# Altium PCB RX_test_01.PcbDoc (part 3 of 3)
Units mm, origin at the board's own origin, x right, y up, seen from the top; angles counter-clockwise.
Board outline 200 x 100 mm, 4 copper layers (Top Copper, Signal Layer 1, Signal Layer 2, Bottom Copper), stack 1.57 mm thick; 283 components, 176 nets, 839 pads, 935 vias.
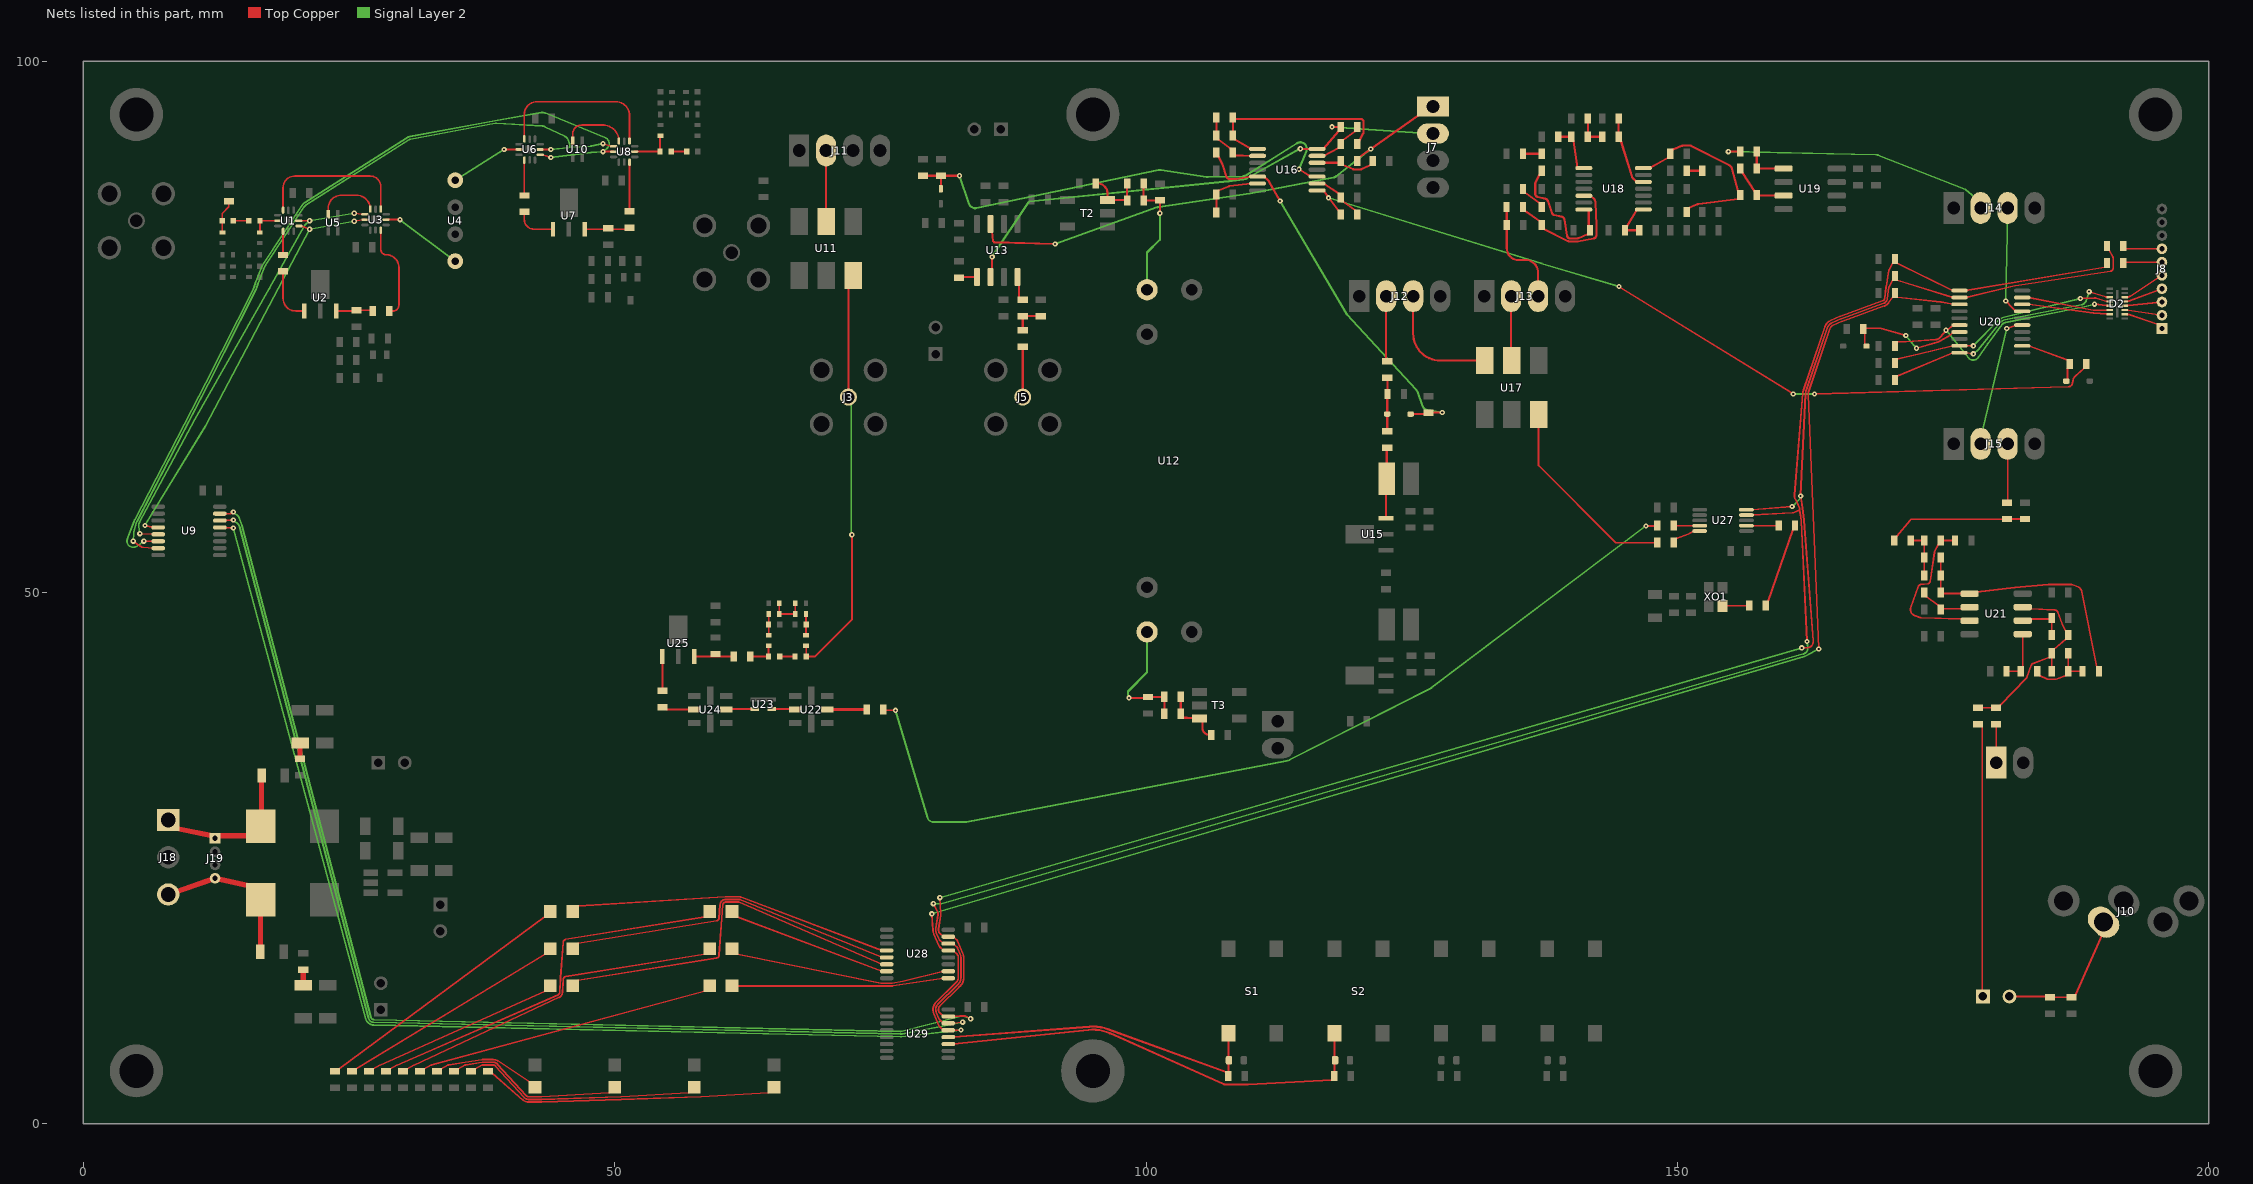
[diagram p5: the nets of this part, all layers, seen from the top]

## Via types
v1: diameter 0.5, hole 0.2, Top Copper to Bottom Copper, 605 vias
v2: diameter 0.7, hole 0.3, Top Copper to Bottom Copper, 330 vias

## Nets (pads, with @x,y where several pads share a name; then routed paths per layer and width w, separated by ;. In a path a pad name is that pad's centre, name@x,y a point inside that pad or via, vN(x,y) a via of type N, cw(c..) or ccw(c..) an arc to the next point about the centre after c; other vN are vias at no path point) (continued)
NetC32_1: C32.1 L12.2 U15.3 | length 6.7
  Top Copper w0.2: U15.3@122.6,57 122.6,60.643 L12.2@122.657,60.7 122.657,63.582 C32.1@122.7,63.625
NetC32_2: C32.2 C33.1 D1.2 R12.2 | length 5.1
  Top Copper w0.2: C32.2@122.7,65.175 D1.2@122.7,66.8 122.7,68.675 R12.2@122.725,68.7 122.725,70.2 C33.1@122.7,70.225
NetC33_2: C33.2 J12.2 | length 6.2
  Top Copper w0.2: J12.2@122.6,77.9 122.6,71.875 C33.2@122.7,71.775
NetC34_2: C34.2 R7.1 R9.1 U12.1 | length 12.1
  Top Copper w0.2: R9.1@99.775,88.5 R7.1@99.775,86.9 101.275,86.9 C34.2@101.3,86.925 v1(101.3,85.7)
  Signal Layer 2 w0.2: U12.1@100.1,78.5 100.1,82 101.3,83.2 v1(101.3,85.7)
NetC35_2: C35.2 R8.2 R10.2 U12.6 | length 12
  Top Copper w0.2: v1(98.4,40.1) 100.125,40.1 C35.2@100.2,40.175 101.7,40.175 R10.2@101.725,40.2 R8.2@101.725,38.6
  Signal Layer 2 w0.2: v1(98.4,40.1) 98.3,40.2 98.3,40.7 100.1,42.5 U12.6@100.1,46.3
NetC36_1: C36.1 U13.4 | length 2.3
  Top Copper w0.2: U13.4@87.905,79.7 88.055,79 88.055,77.775 C36.1@88.4,77.575
NetC36_2: C36.2 R15.1 R28.2 | length 3
  Top Copper w0.2: R15.1@88.4,74.675 C36.2@88.4,76.025 R28.2@90.1,76.025
NetC37_1: C37.1 R19.2 R22.1 U16.1 | length 19.2
  Top Copper w0.2: U16.1@110.5,91.75 109.9,91.75 108.375,92.625 R19.2@108.175,93 C37.1@108.175,94.7 108.375,94.575 120.175,94.575 cw(c120.175,94.275) 120.475,94.275 120.475,93.325 cw(c120.175,93.325) 120.432,93.171 120.075,92.575 R22.1@119.975,92.163
NetC37_2: C37.2 R19.1 R21.2 U16.2 | length 6.4
  Top Copper w0.2: C37.2@106.625,94.7 R19.1@106.625,93 106.825,92.625 107.975,91.775 R21.2@108.175,91.4 108.375,91.132 109.104,91.132 cw(c109.104,90.528) 109.129,91.132 109.9,91.1 U16.2@110.5,91.1
NetC50_2: C50.2 R29.1 | length 1.4
  Top Copper w0.2: R29.1@150.875,89.7 C50.2@152.325,89.7
NetC51_2: C51.2 R31.1 | length 1.8
  Top Copper w0.2: C51.2@135.475,91.3 R31.1@137.225,91.3
NetC52_2: C52.2 R33.1 | length 2.5
  Top Copper w0.2: C52.2@135.475,88 135.675,87.625 137.025,86.675 R33.1@137.225,86.3
NetC53_1: C53.1 J13.3 R41.2 | length 10.4
  Top Copper w0.2: C53.1@133.925,86.3 133.95,86.275 R41.2@133.95,84.6 133.95,82.4 ccw(c135.05,82.4) 135.05,81.3 135.7,81.3 cw(c135.7,80.1) 136.9,80.1 J13.3@136.9,77.9
NetC53_2: C53.2 R42.2 U18.5 | length 12.9
  Top Copper w0.2: C53.2@135.475,86.3 135.675,85.925 137.025,84.975 R42.2@137.225,84.6 137.425,84.225 139.66,83.099 ccw(c139.925,83.625) 139.925,83.036 140.525,83.036 ccw(c140.525,83.625) 140.635,83.046 142.131,83.33 ccw(c142.075,83.625) 142.375,83.625 142.375,84.575 ccw(c142.075,84.575) 142.375,84.586 142.3,86.718 ccw(c141.8,86.7) 142.119,87.085 141.8,87.35 U18.5@141.2,87.35
NetC54_2: C54.2 R37.2 R38.1 | length 3
  Top Copper w0.2: C54.2@141.575,94.6 R37.2@141.575,92.9 R38.1@142.925,92.9
NetC55_2: C55.2 R38.2 U18.12 | length 7
  Top Copper w0.2: C55.2@144.475,94.6 R38.2@144.475,92.9 144.675,92.525 145.723,89.151 ccw(c146.2,89.3) 145.881,88.915 146.2,88.65 U18.12@146.8,88.65
NetC56_2: C56.2 R45.2 U18.8 | length 4.2
  Top Copper w0.2: C56.2@146.425,84.1 R45.2@145.075,84.1 145.275,84.475 146.2,86.05 U18.8@146.8,86.05
NetC60_1: C60.1 C62.2 R55.2 R56.1 | length 4.5
  Top Copper w0.165: R55.2@171.975,54.9 R56.1@173.225,54.9 C62.2@173.225,53.3 C60.1@173.225,51.6
NetC60_2: C60.2 C62.1 R57.1 R63.2 U21.1 | length 24.6
  Top Copper w0.165: C62.1@174.775,53.3 R63.2@174.775,50 174.993,49.929 176.8,49.929 U21.1@177.5,49.905 178.2,50.055 181.748,50.484 cw(c181.8,50.055) 181.763,50.486 184.901,50.756 cw(c184.925,50.475) 184.925,50.757 187.075,50.757 cw(c187.075,50.475) 187.174,50.739 187.681,50.549 cw(c187.475,50) 188.05,50.114 189.457,42.993 R57.1@189.675,42.6
NetC61_1: C61.1 C63.2 R57.2 R58.1 | length 6.6
  Top Copper w0.165: R58.1@183.875,42.6 184.093,42.207 184.804,41.87 ccw(c184.925,42.125) 184.925,41.843 185.525,41.843 ccw(c185.525,42.125) 185.623,41.86 186.557,42.207 C61.1@186.775,42.6 ; C63.2@186.775,44.3 C61.1@186.775,42.6 ; R57.2@188.125,42.6 C61.1@186.775,42.6
NetC61_2: C61.2 C63.1 R59.1 R61.2 R65.2 U21.7 | length 19.1
  Top Copper w0.165: R61.2@178.3,39.175 R59.1@180,39.175 180.393,39.393 182.829,41.929 ccw(c182.625,42.125) 182.89,42.028 183.31,43.172 cw(c183.575,43.075) 183.478,43.34 185.003,43.906 cw(c185.06,43.751) 185.005,43.906 185.007,43.907 C63.1@185.225,44.3 ; U21.7@182.5,48.635 183.2,48.485 185.54,48.357 cw(c185.525,48.075) 185.79,48.172 186.21,47.027 ccw(c186.475,47.125) 186.228,46.989 186.557,46.393 R65.2@186.775,46 186.557,45.607 185.443,44.693 C63.1@185.225,44.3 ; C61.2@185.225,42.6 C63.1@185.225,44.3
NetC64_1: C64.1 J15.3 | length 5.5
  Top Copper w0.165: C64.1@181,58.475 181.08,58.693 J15.3@181.08,64
NetC64_2: C64.2 R55.1 R60.2 | length 13.3
  Top Copper w0.165: R55.1@170.425,54.9 170.643,55.293 171.9,56.803 171.983,56.9 180.607,56.9 C64.2@181,56.925 R60.2@182.7,56.925
NetC65_2: C65.2 R56.2 U21.3 | length 14.9
  Top Copper w0.165: C65.2@176.125,54.9 R56.2@174.775,54.9 174.557,54.507 174.228,53.912 ccw(c174.475,53.775) 174.195,53.815 173.805,51.086 cw(c173.525,51.125) 173.562,50.845 172.889,50.755 ccw(c172.925,50.475) 172.658,50.568 171.971,48.593 ccw(c172.525,48.4) 172.318,47.851 172.826,47.661 ccw(c172.925,47.925) 172.915,47.643 176.8,47.515 U21.3@177.5,47.365
NetC66_2: C66.2 R58.2 U21.5 | length 4.9
  Top Copper w0.165: C66.2@180.975,42.6 R58.2@182.325,42.6 182.492,42.993 182.492,45.945 U21.5@182.5,46.095
NetC67_1: C67.1 R61.1 | length 25.9
  Top Copper w0.165: R61.1@178.3,37.625 178.693,37.407 178.693,12.568 C67.1@178.75,12
NetC67_2: C67.2 C68.2 J10.4 R66.2 | length 13.9
  Top Copper w0.165: C67.2@181.25,12 184.682,12 R66.2@185.075,11.925 C68.2@187.075,11.925 187.468,12.143 190.383,18.717 J10.4@190.1,19
NetC73_1: C73.1 R72.2 | length 87.9
  Top Copper w0.165: C73.1@75.275,39 75.35,38.925 v1(76.425,38.925) ; v1(147.05,56.275) 148.1,56.275 R72.2@148.125,56.3
  Signal Layer 2 w0.165: v1(76.425,38.925) 79.438,28.832 ccw(c80,29) 80,28.414 83,28.414 ccw(c83,29) 83.11,28.424 113.181,34.149 ccw(c112.95,35.36) 113.507,34.261 126.765,40.977 ccw(c126.5,41.5) 126.853,41.032 v1(147.05,56.275)
NetC73_2: C73.2 U22.2 | length 3.7
  Top Copper w0.3: U22.2@70,39 C73.2@73.725,39
NetC75_1: C75.1 U24.6 | length 3.1
  Top Copper w0.165: C75.1@54.5,39.225 54.675,39.225 54.9,39 U24.6@57.5,39
NetC75_2: C75.2 U25.1 | length 3.2
  Top Copper w0.165: C75.2@54.5,40.775 U25.1@54.5,44
NetC76_1: C76.1 L13.2 U25.3 | length 3.7
  Top Copper w0.165: U25.3@57.5,44 C76.1@61.225,44
NetC76_2: C76.2 C77.2 L14.1 | length 2.7
  Top Copper w0.165: C76.2@62.775,44 L14.1@64.475,44 64.475,44.975 C77.2@64.5,45
NetC77_1: C77.1 L16.1 R69.1 | length 2
  Top Copper w0.165: C77.1@64.5,46 R69.1@64.5,48
NetC78_1: C78.1 L17.2 R70.2 | length 2
  Top Copper w0.165: C78.1@68,46 R70.2@68,48
NetC78_2: C78.2 J3.1 L15.2 U11.6 | length 39.5
  Top Copper w0.165: C78.2@68,45 68.025,44.975 L15.2@68.025,44 68.875,44 72.325,47.45 v1(72.325,55.45) ; J3.1@72,68.4 72,79.42 U11.6@72.44,79.86
  Signal Layer 2 w0.134: J3.1@72,68.4 72.255,68.145 72.255,55.52 v1(72.325,55.45)
NetC79_1: C79.1 C80.1 R69.2 R70.1 | length 3.5
  Top Copper w0.165: C79.1@65.5,49 R69.2@65.5,48 R70.1@67,48 C80.1@67,49
NetC96_1: C96.1 R25.2 | length 8
  Top Copper w0.2: R25.2@158.325,48.775 158.525,49.15 160.875,55.925 C96.1@161.075,56.3
NetC96_2: C96.2 U27.2 | length 3
  Top Copper w0.165: U27.2@156.5,56.3 C96.2@159.525,56.3
NetC110_2: C110.2 R91.1 | length 1.6
  Top Copper w0.5: R91.1@20.4,34.375 C110.2@20.4,35.95
NetC111_2: C111.2 R92.1 | length 1.6
  Top Copper w0.5: C111.2@20.7,12.95 R92.1@20.7,14.525
NetC112_2: C112.2 D16.1 R95.2 U16.10 | length 45.1
  Top Copper w0.2: R95.2@79,89.225 C112.2@80.7,89.225 ; D16.1@80.7,88 C112.2@80.7,89.225 ; v1(82.45,89.225) C112.2@80.7,89.225 ; v1(114.397,89.841) 115.5,89.15 U16.10@116.1,89.15
  Signal Layer 2 w0.2: v1(82.45,89.225) 83.353,86.58 ccw(c83.925,86.775) 84.049,86.184 101.176,89.766 cw(c101.3,89.175) 101.393,89.772 105.707,89.103 ccw(c105.8,89.7) 105.814,89.096 109.089,89.171 ccw(c109.075,89.775) 109.397,89.264 114.203,92.286 cw(c114.525,91.775) 115.085,91.549 v1(114.397,89.841)
NetD3_1: D3.1 R75.1 | length 28.2
  Top Copper w0.165: R75.1@38.1,4.975 38.493,4.757 41.383,2.253 ccw(c41.9,2.85) 41.9,2.06 43.1,2.06 ccw(c43.1,2.85) 43.134,2.061 50.618,2.314 58.11,2.568 ccw(c58.1,2.85) 58.116,2.568 64.482,2.932 D3.1@65,3.45
NetD4_1: D4.1 R82.2 | length 25.2
  Top Copper w0.165: R82.2@23.7,4.975 24.093,5.193 43.432,19.482 D4.1@43.95,20
NetD5_1: D5.1 R83.2 | length 37.1
  Top Copper w0.165: R83.2@28.5,4.975 28.893,5.193 29.488,5.522 cw(c29.625,5.275) 29.512,5.534 44.663,12.141 ccw(c44.55,12.4) 44.832,12.383 44.914,13.732 44.915,13.736 45.168,17.121 cw(c45.45,17.1) 45.405,17.379 58.432,19.482 D5.1@58.95,20
NetD6_1: D6.1 R85.2 | length 21.9
  Top Copper w0.165: R85.2@25.3,4.975 25.693,5.193 43.432,15.982 D6.1@43.95,16.5
NetD7_1: D7.1 R86.2 | length 32.4
  Top Copper w0.165: R86.2@30.1,4.975 30.493,5.193 31.088,5.522 cw(c31.225,5.275) 31.106,5.531 44.777,11.914 ccw(c44.55,12.4) 45.085,12.365 45.168,13.619 cw(c45.45,13.6) 45.405,13.879 58.432,15.982 D7.1@58.95,16.5
NetD8_1: D8.1 R87.2 | length 18.9
  Top Copper w0.165: R87.2@26.9,4.975 27.293,5.193 27.888,5.522 cw(c28.025,5.275) 27.91,5.533 43.432,12.482 D8.1@43.95,13
NetD9_1: D9.1 R88.2 | length 28.5
  Top Copper w0.165: R88.2@31.7,4.975 32.093,5.193 32.688,5.522 cw(c32.825,5.275) 32.751,5.548 58.432,12.482 D9.1@58.95,13
NetD12_1: D12.1 F3.1 J18.1 J19.1 | length 14.4
  Top Copper w0.5: J18.1@8,28.6 8.8,27.8 12.15,27.125 J19.1@12.4,26.875 12.65,27.125 15.575,27.125 D12.1@16.7,28 16.768,29.325 16.768,32.375 F3.1@16.775,32.8
NetD13_2: D13.2 F4.1 J18.3 J19.4 | length 14.5
  Top Copper w0.5: J18.3@8,21.6 J19.4@12.4,23.125 15.575,22.425 D13.2@16.7,21.1 16.677,19.775 16.677,16.625 F4.1@16.675,16.2
NetD17_2: D17.2 R73.2 U20.12 | length 6.6
  Top Copper w0.165: U20.12@182.45,73.225 183.05,73.225 186.707,71.893 R73.2@186.925,71.5 186.707,71.107 186.707,70.025 D17.2@186.6,69.9
NetD18_2: D18.2 R94.2 U20.7 | length 11.7
  Top Copper w0.165: D18.2@167.8,73.2 167.641,73.325 167.641,74.407 167.584,74.843 167.693,74.886 169.025,74.886 cw(c169.025,74.3) 169.187,74.864 v1(171.5,74.2) ; v1(172.5,73) 174.535,73.593 ccw(c174.3,74.4) 174.727,73.677 175.585,74.183 ccw(c175.287,74.688) 175.704,74.276 175.95,74.525 U20.7@176.55,74.525
  Signal Layer 2 w0.165: v1(171.5,74.2) v1(172.5,73)
NetD19_1: D19.1 R76.1 | length 22.8
  Top Copper w0.165: R76.1@36.5,4.975 36.893,5.193 37.488,5.522 cw(c37.625,5.275) 37.625,5.557 38.575,5.557 cw(c38.575,5.275) 38.784,5.464 41.505,2.488 ccw(c41.9,2.85) 41.9,2.314 43.1,2.314 ccw(c43.1,2.85) 43.124,2.314 cw(c43.134,2.061) 43.125,2.314 50.61,2.568 ccw(c50.6,2.85) 50.615,2.568 56.982,2.932 D19.1@57.5,3.45
NetD20_1: D20.1 R77.1 | length 16.9
  Top Copper w0.165: R77.1@34.9,4.975 35.293,5.193 35.888,5.522 cw(c36.025,5.275) 35.98,5.554 37.54,5.804 cw(c37.625,5.275) 37.625,5.811 38.575,5.811 cw(c38.575,5.275) 38.971,5.637 41.691,2.66 ccw(c41.9,2.85) 41.9,2.568 43.1,2.568 ccw(c43.1,2.85) 43.115,2.568 49.482,2.932 D20.1@50,3.45
NetD21_1: D21.1 R78.1 | length 10.2
  Top Copper w0.165: R78.1@33.3,4.975 33.693,5.193 34.288,5.522 cw(c34.425,5.275) 34.38,5.554 35.94,5.804 ; 35.941,5.805 37.498,6.055 cw(c37.625,5.275) 37.625,6.065 38.575,6.065 cw(c38.575,5.275) 39.011,5.934 41.982,3.968 D21.1@42.5,3.45
NetJ5_1: J5.1 R15.2 | length 4.7
  Top Copper w0.2: J5.1@88.4,68.4 R15.2@88.4,73.125
NetJ8_6: J8.6 R53.2 | length 3.7
  Top Copper w0.165: R53.2@191.975,81 192.075,81.1 J8.6@195.6,81.1
NetJ8_7: J8.7 R54.2 | length 3.7
  Top Copper w0.165: R54.2@191.975,82.6 191.975,82.568 192.193,82.35 J8.7@195.6,82.35
NetJ9_1: J9.1 R59.2 | length 3.6
  Top Copper w0.165: J9.1@180,34 R59.2@180,37.625
NetJ11_2: J11.2 U11.2 | length 6.7
  Top Copper w0.2: U11.2@69.9,84.94 J11.2@69.9,91.6
NetJ12_3: J12.3 U17.3 | length 11.7
  Top Copper w0.2: J12.3@125.14,77.9 125.14,74.38 ccw(c127.68,74.38) 127.68,71.84 U17.3@131.86,71.84
NetJ13_2: J13.2 U17.2 | length 6.1
  Top Copper w0.2: J13.2@134.36,77.9 134.36,71.88 U17.2@134.4,71.84
NetJ14_2: J14.2 R35.2 | length 26.5
  Top Copper w0.165: v1(154.8,91.5) R35.2@155.925,91.5
  Signal Layer 2 w0.165: v1(154.8,91.5) 168.687,91.211 cw(c168.675,90.625) 168.889,91.171 177.053,87.963 cw(c176.95,87.7) 177.13,87.918 178.54,86.75 J14.2@178.54,86.2
NetJ14_3: J14.3 U20.17 | length 10.7
  Top Copper w0.165: v1(180.9,77.45) 181.521,76.807 ccw(c181.85,77.125) 181.525,76.803 181.85,76.475 U20.17@182.45,76.475
  Signal Layer 2 w0.165: v1(180.9,77.45) 180.902,77.543 181.04,83.828 181.08,85.65 J14.3@181.08,86.2
NetJ15_2: J15.2 U20.15 | length 12.6
  Top Copper w0.165: v1(181,74.85) 181.85,75.175 U20.15@182.45,75.175
  Signal Layer 2 w0.165: J15.2@178.54,64 178.54,64.55 v1(181,74.85)
NetL14_2: L14.2 L15.1 | length 1.4
  Top Copper w0.165: L14.2@65.525,44 L15.1@66.975,44
NetR7_2: R7.2 R9.2 R11.2 T2.1 | length 5.7
  Top Copper w0.2: R11.2@95.275,88.5 95.46,88.5 cw(c95.46,87.59) 96.37,87.59 T2.1@96.37,86.95 98.175,86.95 R7.2@98.225,86.9 R9.2@98.225,88.5
NetR8_1: R8.1 R10.1 R93.1 T3.1 | length 5.8
  Top Copper w0.2: R10.1@103.275,40.2 R8.1@103.275,38.6 103.275,38.425 103.475,38.225 103.875,38.225 103.9,38.2 104.98,38.2 T3.1@105.03,38.15 105.3,37.88 105.3,37.299 ccw(c105.999,37.299) 105.999,36.6 R93.1@106.125,36.6
NetR14_2: R14.2 U13.1 | length 1.7
  Top Copper w0.2: R14.2@82.4,79.625 82.475,79.7 U13.1@84.095,79.7
NetR16_2: R16.2 R17.1 U16.6 | length 5.9
  Top Copper w0.2: R17.1@106.625,85.775 R16.2@106.625,87.475 106.825,87.85 107.763,88.228 cw(c107.875,87.95) 107.839,88.248 109.9,88.5 U16.6@110.5,88.5
NetR18_1: R18.1 R23.2 U16.12 | length 5.9
  Top Copper w0.2: U16.12@116.1,90.45 118.125,90.45 R18.1@118.325,90.6 118.525,90.225 119.463,89.847 ccw(c119.575,90.125) 119.575,89.825 120.175,89.825 ccw(c120.175,90.125) 120.299,89.852 121.125,90.225 R23.2@121.325,90.6
NetR20_1: R20.1 R22.2 U16.13 | length 4.9
  Top Copper w0.2: U16.13@116.1,91.1 116.7,91.1 118.125,91.825 R22.2@118.325,92.2 118.525,92.575 119.675,93.425 R20.1@119.875,93.8
NetR24_1: R24.1 U27.10 | length 2.8
  Top Copper w0.165: R24.1@149.675,54.7 149.893,55.093 151.005,55.502 151.575,55.8 U27.10@152.1,55.8
NetR24_2: R24.2 U17.6 | length 19
  Top Copper w0.165: U17.6@136.94,66.76 136.94,61.96 144.2,54.7 R24.2@148.125,54.7
NetR25_1: R25.1 XO1.3 | length 2.5
  Top Copper w0.165: XO1.3@154.275,48.775 R25.1@156.775,48.775
NetR30_2: R30.2 R36.1 R43.2 U18.14 | length 18
  Top Copper w0.2: U18.14@146.8,89.95 147.4,89.95 149.125,90.925 R30.2@149.325,91.3 149.525,91.675 150.463,92.053 cw(c150.575,91.775) 150.575,92.075 151.175,92.075 cw(c151.175,91.775) 151.311,92.042 154.849,90.238 cw(c154.575,89.7) 155.158,89.859 155.725,87.775 R36.1@155.925,87.4 155.725,87.025 151.989,86.573 ccw(c152.025,86.275) 151.901,86.548 151.075,86.175 R43.2@150.875,85.8
NetR32_2: R32.2 R37.1 U18.1 | length 4.9
  Top Copper w0.2: R32.2@138.775,92.9 R37.1@140.025,92.9 140.225,92.525 140.6,89.95 U18.1@141.2,89.95
NetR34_2: R34.2 R39.1 U18.7 | length 13
  Top Copper w0.2: R39.1@137.225,89.7 137.025,89.325 136.658,88.612 ccw(c136.925,88.475) 136.625,88.475 136.625,87.525 ccw(c136.925,87.525) 136.859,87.232 137.591,87.068 cw(c137.525,86.775) 137.81,86.87 138.19,85.73 ccw(c138.475,85.825) 138.409,85.532 139.141,85.368 cw(c139.075,85.075) 139.371,85.124 139.629,83.576 ccw(c139.925,83.625) 139.925,83.325 140.525,83.325 ccw(c140.525,83.625) 140.637,83.347 141.575,83.725 R34.2@141.775,84.1 141.659,84.475 141.659,86.05 U18.7@141.2,86.05
NetR35_1: R35.1 R40.2 U19.1 | length 4
  Top Copper w0.2: R35.1@157.475,91.5 R40.2@157.475,89.9 157.675,89.904 159.3,89.904 U19.1@159.875,89.905
NetR36_2: R36.2 R40.1 U19.3 | length 5.3
  Top Copper w0.2: R40.1@155.925,89.9 156.125,89.525 157.275,87.775 R36.2@157.475,87.4 157.675,87.373 159.3,87.373 U19.3@159.875,87.365
NetR62_2: R62.2 R63.1 U21.2 | length 5
  Top Copper w0.165: R63.1@173.225,50 173.443,49.607 174.557,48.793 R62.2@174.775,48.4 174.993,48.485 176.8,48.485 U21.2@177.5,48.635
NetR64_2: R64.2 R65.1 U21.6 | length 4.4
  Top Copper w0.165: U21.6@182.5,47.365 183.2,47.515 185.007,47.515 R64.2@185.225,47.6 R65.1@185.225,46
NetR72_1: R72.1 U27.9 | length 2.4
  Top Copper w0.165: R72.1@149.675,56.3 U27.9@152.1,56.3
NetR73_1: R73.1 R97.2 U16.8 | length 80
  Top Copper w0.165: v1(117.175,87.15) 118.107,85.993 R97.2@118.325,85.6 ; v1(144.5,78.8) v1(160.9,68.7) ; v1(162.9,68.7) 186.786,69.368 ccw(c186.775,69.775) 187.178,69.713 187.22,69.989 cw(c187.8,69.9) 187.406,70.334 188.257,71.107 R73.1@188.475,71.5
  Top Copper w0.2: U16.8@116.1,87.85 116.7,87.85 117.158,87.18 cw(c116.993,87.067) v1@117.175,87.151
  Signal Layer 2 w0.165: v1(117.175,87.15) 137.242,80.964 ccw(c137.5,81.8) 137.25,80.961 v1(144.5,78.8) ; v1(160.9,68.7) v1(162.9,68.7)
NetR96_2: R96.2 R97.1 U16.9 | length 5
  Top Copper w0.2: U16.9@116.1,88.5 116.7,88.5 118.125,87.575 R96.2@118.325,87.2 118.525,86.825 119.675,85.975 R97.1@119.875,85.6
NetU3_3: U3.3 U5.2 | length 6
  Top Copper w0.165: U5.2@23.05,85.6 23.05,86.15 cw(c24.3,86.15) 23.1,86.5 cw(c24.3,86.15) 23.95,87.35 cw(c24.3,86.15) 24.3,87.4 25.7,87.4 cw(c25.7,86.1) U3.3@27,86.1
NetU8_3: U8.3 U10.2 | length 6.3
  Top Copper w0.165: U10.2@46.05,92.5 46.05,93.15 cw(c46.9,93.15) 46.9,94 48.9,94 cw(c48.9,92.5) 49.145,93.98 cw(c48.9,92.5) 50.38,92.745 cw(c48.9,92.5) U8.3@50.4,92.5
NetU22_6: U22.6 U23.1 | length 2.2
  Top Copper w0.165: U23.1@64.8,39.05 66.95,39.05 U22.6@67,39
NetU23_2: U23.2 U24.2 | length 2.7
  Top Copper w0.165: U24.2@60.5,39 60.55,39.05 U23.2@63.2,39.05
nINT: R49.2 U9.13 U20.3 U28.13 U29.13 | length 251.5
  Top Copper w0.165: U9.13@12.85,56.135 12.88,56.105 14.095,56.105 v1(14.125,56.075) ; v1(79.85,19.775) 79.963,18.204 ccw(c80.95,18.275) 80.039,17.889 80.507,16.785 ccw(c80.95,16.975) 80.626,16.618 80.95,16.325 81.85,16.325 82.173,16.033 cw(c81.85,15.675) 82.332,15.675 82.332,13.725 cw(c81.85,13.725) 82.191,13.383 82.049,13.242 80.257,11.482 ccw(c80.95,10.775) 80.039,10.389 80.506,9.287 ccw(c80.95,9.475) 80.627,9.117 80.95,8.825 U29.13@81.4,8.825 81.85,8.825 v1(82.597,8.838) ; v1(163.3,44.7) 162.314,68.678 cw(c162.9,68.7) 162.344,68.887 164.344,74.813 cw(c164.9,74.625) 164.664,75.162 165.512,75.534 cw(c165.625,75.275) 165.53,75.541 169.495,76.983 ccw(c169.225,77.725) 169.866,77.264 170.257,77.807 170.584,78.004 170.693,77.807 174.806,77.356 cw(c174.775,77.075) 174.832,77.352 175.95,77.125 U20.3@176.55,77.125
  Signal Layer 2 w0.165: v1(14.125,56.075) 26.587,9.894 ccw(c27.35,10.1) 27.332,9.31 76.876,8.206 ccw(c76.9,9.3) 77.022,8.213 v1(82.597,8.838) ; v1(79.85,19.775) 161.938,43.994 ccw(c161.7,44.8) 162.095,44.058 v1(163.3,44.7)
NRST: D2.13 R52.1 U20.6 | length 25.6
  Top Copper w0.165: R52.1@170.475,73.2 170.693,73.593 171.515,73.614 ccw(c171.5,74.2) 171.54,73.615 174.343,73.815 ccw(c174.3,74.4) 174.756,74.031 v1(175.287,74.688) ; v1@175.326,74.642 v1(175.287,74.688) ; U20.6@176.55,75.175 175.95,75.175 175.424,74.726 cw(c175.316,74.85) v1(175.287,74.688) ; v1(189.25,77.15) 190.368,77.019 ccw(c190.4,77.3) 190.4,77.018 190.482,77.018 D2.13@190.7,77
  Signal Layer 2 w0.165: v1(175.287,74.688) 177.397,72.099 ccw(c177.85,72.471) 178.334,72.14 179.192,73.395 cw(c179.401,73.251) 179.197,73.402 180.529,75.199 cw(c181,74.85) 180.887,75.426 188.088,76.851 ccw(c187.925,77.675) 188.135,76.862 v1(189.25,77.15)
"NRST R": D2.4 J8.3 | length 3.6
  Top Copper w0.165: D2.4@192,77 192.218,77.018 192.417,77.018 J8.3@195.6,77.35
"PASS 1": U1.9 U3.1 | length 14.6
  Top Copper w0.165: U1.9@18.8,86 18.8,88.1 cw(c19.9,88.1) 19.9,89.2 27,89.2 cw(c27,88.2) 28,88.2 U3.1@28,86.1
"PASS 2": U6.9 U8.1 | length 16
  Top Copper w0.165: U6.9@41.5,92.7 41.5,95 cw(c42.7,95) 41.617,95.517 cw(c42.7,95) 42.183,96.083 cw(c42.7,95) 42.7,96.2 50.1,96.2 cw(c50.1,94.9) 51.4,94.9 U8.1@51.4,92.5
SCL: R47.2 R53.1 U9.14 U20.1 U27.4 U28.14 U29.14 | length 275.1
  Top Copper w0.165: U9.14@12.85,56.785 12.872,56.807 14.103,56.807 v1(14.125,56.829) ; v1(79.987,20.739) 80.363,20.059 cw(c79.85,19.775) 80.429,19.683 80.223,18.391 ccw(c80.95,18.275) 80.271,17.989 80.506,17.435 ccw(c80.95,17.625) 80.626,17.267 80.95,16.975 81.85,16.975 82.173,16.683 cw(c81.85,16.325) 82.294,16.513 82.528,15.962 cw(c81.85,15.675) 82.586,15.675 82.586,13.725 cw(c81.85,13.725) 82.373,13.207 82.229,13.062 cw(c82.049,13.242) 82.227,13.061 80.435,11.301 ccw(c80.95,10.775) 80.271,10.489 80.506,9.935 ccw(c80.95,10.125) 80.626,9.767 80.95,9.475 U29.14@81.4,9.475 81.85,9.475 v1(82.745,9.582) ; U27.4@156.5,57.3 157.025,57.3 160.833,57.515 ccw(c160.8,58.1) 161.031,57.561 161.414,57.726 ; 161.415,57.726 161.455,57.743 161.515,57.769 ; v1(162.2,45.4) 161.657,56.788 ccw(c161.375,56.775) 161.654,56.816 161.549,57.557 ccw(c161.386,57.534) 161.549,57.561 161.517,57.755 cw(c161.68,57.782) 161.517,57.757 161.515,57.769 ; R53.1@190.425,81 190.207,80.607 177.15,78.425 175.95,78.425 170.693,81.007 R47.2@170.475,81.4 170.257,81.007 169.928,80.412 ccw(c170.175,80.275) 169.896,80.32 169.646,78.76 ccw(c170.175,78.675) 169.643,78.744 169.505,77.689 cw(c169.225,77.725) 169.322,77.46 165.355,76.017 ccw(c165.625,75.275) 165.308,75.998 164.461,75.627 ccw(c164.9,74.625) 163.863,74.975 161.863,69.05 ccw(c162.9,68.7) 161.81,68.79 161.016,59.148 ccw(c161.6,59.1) 161.08,58.829 161.319,58.372 cw(c160.8,58.1) 161.342,58.324 161.502,57.94 cw(c161.35,57.878) 161.515,57.878 161.515,57.769
  Signal Layer 2 w0.165: v1(14.125,56.829) 14.494,56.531 cw(c14.125,56.075) 14.692,56.224 26.831,9.964 ccw(c27.35,10.1) 27.338,9.564 76.881,8.46 ccw(c76.9,9.3) 77.061,8.475 v1(82.745,9.582) ; v1(79.987,20.739) 80.576,20.714 ccw(c80.6,21.3) 80.763,20.737 161.863,44.237 ccw(c161.7,44.8) 162.279,44.89 v1(162.2,45.4)
SDA: R48.2 R54.1 U9.15 U20.2 U27.5 U28.15 U29.15 | length 277.3
  Top Copper w0.165: U9.15@12.85,57.435 13.886,57.435 14.034,57.583 v1(14.125,57.583) ; v1(80.6,21.3) 80.689,19.825 cw(c79.85,19.775) 80.68,19.642 80.474,18.352 ccw(c80.95,18.275) 80.626,17.918 80.95,17.625 81.85,17.625 82.173,17.333 cw(c81.85,16.975) 82.294,17.163 82.528,16.612 ; 82.528,16.611 82.761,16.061 cw(c81.85,15.675) 82.84,15.675 82.84,13.725 cw(c81.85,13.725) 82.552,13.027 82.408,12.883 cw(c82.049,13.242) 82.405,12.88 80.614,11.121 ccw(c80.95,10.775) 80.626,10.418 80.95,10.125 U29.15@81.4,10.125 81.85,10.125 82.502,10.169 82.988,10.169 v1(83.5,9.9) ; U27.5@156.5,57.8 157.025,57.8 v1(160.8,58.1) ; v1(161.6,59.1) cw(c161.762,59.128) 161.598,59.136 162.061,68.74 cw(c162.9,68.7) 162.104,68.969 164.104,74.894 cw(c164.9,74.625) 164.564,75.395 165.409,75.766 cw(c165.625,75.275) 165.443,75.779 169.409,77.221 ccw(c169.225,77.725) 169.757,77.655 169.895,78.712 cw(c170.175,78.675) 169.928,78.812 170.257,79.407 170.584,79.604 170.693,79.407 175.95,77.775 177.15,77.775 181.744,78.87 cw(c181.85,78.425) 181.781,78.877 190.768,80.246 ccw(c190.725,80.525) 191.007,80.525 191.007,81.475 ccw(c190.725,81.475) 190.972,81.612 190.643,82.207 R54.1@190.425,82.6 ; v1(161.6,59.1) cw(c161.438,59.07) 161.601,59.093 161.765,57.935 cw(c161.35,57.878) 161.765,57.932 161.907,56.844 cw(c161.375,56.775) 161.91,56.816 162.785,45.445 cw(c162.2,45.4) 162.216,44.814 v1(161.7,44.8)
  Signal Layer 2 w0.165: v1(14.125,57.583) 14.494,57.285 cw(c14.125,56.829) 14.677,57.026 14.916,56.358 cw(c14.125,56.075) 14.938,56.288 27.077,10.029 ccw(c27.35,10.1) 27.344,9.818 76.888,8.714 ccw(c76.9,9.3) 77.044,8.732 82.6,10.15 cw(c82.745,9.582) 82.973,10.122 v1(83.5,9.9) ; v1(80.6,21.3) v1(161.7,44.8) ; v1(160.8,58.1) 161.536,58.836 161.536,59.036 v1(161.6,59.1)
"SIGNAL 1": C6.2 C7.2 L2.1 | length 3.2
  Top Copper w0.165: C7.2@13.1,83.85 13.075,83.875 L2.1@13.075,85 13.075,85.675 13.7,86.3 C6.2@13.7,86.825
"SIGNAL 2": L2.2 L3.1 | length 1.4
  Top Copper w0.165: L2.2@14.125,85 L3.1@15.575,85
"SIGNAL 3": C8.2 L3.2 U1.11 | length 2.9
  Top Copper w0.165: C8.2@16.6,83.85 16.625,83.875 L3.2@16.625,85 U1.11@18.325,85
"SIGNAL 4": C4.1 U1.1 | length 2.2
  Top Copper w0.165: C4.1@18.8,81.775 U1.1@18.8,84
"SIGNAL 5": C4.2 U2.1 | length 5.2
  Top Copper w0.165: C4.2@18.8,80.225 18.8,77.7 ccw(c20,77.7) 20,76.5 U2.1@20.8,76.5
"SIGNAL 6": C5.1 L1.2 U2.3 | length 3.5
  Top Copper w0.165: U2.3@23.8,76.5 25.625,76.5 L1.2@25.7,76.575 27.15,76.575 C5.1@27.225,76.5
"SIGNAL 7": C5.2 U3.9 | length 9.3
  Top Copper w0.165: U3.9@28,84.1 28,82.3 ccw(c28.5,82.3) 28.5,81.8 cw(c28.5,80.6) 28.9,81.731 cw(c28.5,80.6) 29.7,80.6 29.7,77.062 cw(c29.138,77.062) 29.138,76.5 C5.2@28.775,76.5
"SIGNAL 8": U3.11 U4.1 | length 7.8
  Top Copper w0.165: U3.11@28.475,85.1 v1(29.8,85.1)
  Signal Layer 2 w0.134: v1(29.8,85.1) 34.993,81.195 U4.1@35,81.19
"SIGNAL 9": U4.4 U6.11 | length 6.9
  Top Copper w0.165: v1(39.6,91.7) U6.11@41.025,91.7
  Signal Layer 2 w0.134: U4.4@35,88.81 v1(39.6,91.7)
"SIGNAL 10": C14.1 U6.1 | length 3.3
  Top Copper w0.165: C14.1@41.5,87.375 U6.1@41.5,90.7
"SIGNAL 11": C14.2 U7.1 | length 3.9
  Top Copper w0.165: C14.2@41.5,85.825 41.5,85.112 ccw(c42.412,85.112) 42.412,84.2 U7.1@44.2,84.2
"SIGNAL 12": C15.1 L6.2 U7.3 | length 4.3
  Top Copper w0.165: U7.3@47.2,84.2 51.275,84.2 C15.1@51.4,84.325
"SIGNAL 13": C15.2 U8.9 | length 4.6
  Top Copper w0.165: C15.2@51.4,85.875 U8.9@51.4,90.5
"SIGNAL 14": C17.2 L7.1 U8.11 | length 4
  Top Copper w0.165: U8.11@51.875,91.5 L7.1@54.275,91.5 54.275,93.025 C17.2@54.3,93.05
"SIGNAL 15": L7.2 L8.1 | length 1.4
  Top Copper w0.165: L7.2@55.325,91.5 L8.1@56.775,91.5
"STAGE 1 +20dB": D4.2 U28.4 | length 30.7
  Top Copper w0.165: D4.2@46.05,20 46.568,20.518 60.4,21.388 cw(c60.45,20.6) 60.45,21.39 61.65,21.39 cw(c61.65,20.6) 61.93,21.339 75.15,16.325 U28.4@75.6,16.325
"STAGE 1 -10dB": D8.2 U28.6 | length 35.9
  Top Copper w0.165: D8.2@46.05,13 46.568,13.518 59.595,15.621 ccw(c59.55,15.9) 59.832,15.88 60.085,19.361 ccw(c59.55,19.4) 60.085,19.365 60.168,20.619 cw(c60.45,20.6) 60.45,20.882 61.65,20.882 cw(c61.65,20.6) 61.763,20.859 75.15,15.025 U28.6@75.6,15.025
"STAGE 1 PASS": D6.2 U28.5 | length 32.6
  Top Copper w0.165: D6.2@46.05,16.5 46.568,17.018 59.595,19.121 ccw(c59.55,19.4) 59.832,19.378 59.915,20.635 cw(c60.45,20.6) 60.45,21.136 61.65,21.136 cw(c61.65,20.6) 61.852,21.097 75.15,15.675 U28.5@75.6,15.675
"STAGE 2 +20dB": D5.2 U28.7 | length 15.7
  Top Copper w0.165: D5.2@61.05,20 61.568,19.482 75.15,14.375 U28.7@75.6,14.375
"STAGE 2 -10dB": D9.2 U28.9 | length 20.4
  Top Copper w0.165: D9.2@61.05,13 61.568,12.989 76.05,12.989 ccw(c76.05,13.725) 76.161,12.997 80.95,13.725 U28.9@81.4,13.725
"STAGE 2 PASS": D7.2 U28.10 | length 21
  Top Copper w0.165: D7.2@61.05,16.5 61.568,15.982 75.055,13.252 ccw(c75.15,13.725) 75.15,13.243 76.05,13.243 ccw(c76.05,13.725) 76.134,13.25 77.104,13.423 ccw(c77,14) 77.14,13.43 80.95,14.375 U28.10@81.4,14.375
STAGE_1_SETTINGS: D10.1 R89.1 S1.1 U29.12 | length 31.2
  Top Copper w0.2: U29.12@81.4,8.175 81.85,8.175 94.683,9.155 cw(c95,5) 96.425,8.915 107.525,4.875 R89.1@107.725,4.675 ; R89.1@107.725,4.5 107.726,4.502 ccw(c107.54,4.577) 107.739,4.557 107.749,4.657 ccw(c107.55,4.676) 107.75,4.674 S1.1@107.75,8.525
STAGE_2_SETTINGS: D11.1 R90.1 S2.1 U29.11 | length 41.7
  Top Copper w0.2: U29.11@81.4,7.525 81.85,7.525 94.594,8.856 cw(c95,5) 96.582,8.541 107.304,3.751 ccw(c107.425,4.025) 107.425,3.725 109.575,3.725 ccw(c109.575,4.025) 109.59,3.725 117.525,4.125 R90.1@117.725,4.5 117.725,7.85 S2.1@117.75,8.525
SWCLK: D2.14 U20.19 | length 8.3
  Top Copper w0.165: U20.19@182.45,77.775 183.05,77.775 189.137,76.575 ccw(c189.25,77.15) 189.259,76.564 190.395,76.582 cw(c190.4,76.3) 190.4,76.582 190.482,76.582 D2.14@190.6,76.6
"SWCLK R": D2.3 J8.2 | length 3.5
  Top Copper w0.165: D2.3@192.1,76.6 192.318,76.582 192.4,76.582 cw(c192.4,76.3) 192.442,76.579 J8.2@195.6,76.1
SWDIO: D2.15 U20.18 | length 8.2
  Top Copper w0.165: U20.18@182.45,77.125 183.05,77.125 189.141,76.317 ccw(c189.25,77.15) 189.182,76.313 190.378,76.218 ccw(c190.4,76.5) 190.4,76.218 190.482,76.218 D2.15@190.6,76.2
"SWDIO R": D2.2 J8.1 | length 3.8
  Top Copper w0.165: D2.2@192.1,76.2 192.318,76.182 192.4,76.182 cw(c192.4,75.9) 192.49,76.168 195.182,75.268 J8.1@195.6,74.85
"UART R RX": D2.6 J8.5 | length 4.2
  Top Copper w0.165: D2.6@192,77.8 192.318,77.818 192.4,77.818 ccw(c192.4,78.1) 192.554,77.863 J8.5@195.6,79.85
"UART R TX": D2.5 J8.4 | length 3.7
  Top Copper w0.165: D2.5@192.1,77.4 192.318,77.418 192.4,77.418 ccw(c192.4,77.7) 192.499,77.436 J8.4@195.6,78.6
UART_RX_1: D2.11 R50.1 U20.10 | length 23.3
  Top Copper w0.165: R50.1@170.475,70 170.693,70.393 175.95,72.575 177.15,72.575 v1(177.85,72.471) ; v1(188.75,78.325) 190.315,77.831 ccw(c190.4,78.1) 190.4,77.818 190.482,77.818 D2.11@190.7,77.8
  Signal Layer 2 w0.165: v1(177.85,72.471) 178.219,72.769 ccw(c177.85,73.225) 178.306,72.856 180.347,75.378 cw(c181,74.85) 180.837,75.674 188.039,77.1 ccw(c187.925,77.675) 188.483,77.495 v1(188.75,78.325)
UART_TX_1: D2.12 R51.1 U20.9 | length 21.9
  Top Copper w0.165: R51.1@170.475,71.6 170.693,71.993 172.629,72.428 ccw(c172.5,73) 172.636,72.43 175.95,73.225 v1(177.85,73.225) ; v1(187.925,77.675) 189.223,77.736 cw(c189.25,77.15) 189.425,77.71 190.316,77.43 ccw(c190.4,77.7) 190.4,77.418 190.482,77.418 D2.12@190.7,77.4
  Signal Layer 2 w0.165: v1(177.85,73.225) 180.223,75.62 cw(c181,74.85) 180.739,75.912 v1(187.925,77.675)
VAGC: J7.2 R20.2 U13.2 U16.14 | length 49.7
  Top Copper w0.2: U13.2@85.365,79.7 85.515,80.4 v1(85.525,81.6) ; v1(114.525,91.775) 115.5,91.75 U16.14@116.1,91.75 116.7,91.75 118.125,93.425 R20.2@118.325,93.8 118.3,93.825 v1(117.5,93.825)
  Signal Layer 2 w0.2: v1(85.525,81.6) 88.948,86.722 89.02,86.794 107.798,88.712 109.188,88.889 ccw(c109.075,89.775) 109.508,88.994 v1(114.525,91.775) ; v1(117.5,93.825) 126.45,93.2 J7.2@127,93.2
VC: C38.2 D1.1 R21.1 U16.5 | length 38
  Top Copper w0.2: R21.1@106.425,91.025 R21.1@106.625,91.4 106.825,91.025 107.192,90.312 cw(c106.925,90.175) 107.21,90.27 107.59,89.13 ccw(c107.875,89.225) 107.875,88.925 108.475,88.925 ccw(c108.475,89.225) 108.522,88.929 109.9,89.15 111.1,89.15 111.419,88.885 cw(c111.1,88.5) 111.534,88.749 v1(112.625,86.85) ; D1.1@124.9,66.8 126.475,66.8 C38.2@126.6,66.925 126.625,66.95 v1(127.875,66.95)
  Signal Layer 2 w0.2: v1(112.625,86.85) 118.851,76.248 ccw(c119.11,76.4) 118.889,76.197 125.419,69.109 cw(c124.975,68.7) 125.542,68.908 126.033,67.567 ccw(c126.6,67.775) 126.501,67.179 v1(127.875,66.95)
VCTRL1: U1.4 U3.5 U9.4 | length 39.5
  Top Copper w0.165: v1(5.8,56.325) 6.6,56.135 U9.4@7.05,56.135 ; U1.4@20.3,84.5 20.525,84.5 v1(21.3,84.2) ; v1(25.5,84.946) 26.3,85.1 U3.5@26.525,85.1
  Signal Layer 2 w0.165: v1(5.8,56.325) 11.501,65.695 ccw(c11,66) 11.518,65.726 v1(21.3,84.2) v1(25.5,84.946)
VCTRL2: U1.5 U3.4 U9.5 | length 41.7
  Top Copper w0.165: v1(5.325,55.55) 6.6,55.485 U9.5@7.05,55.485 ; U1.5@20.275,85 v1(21.3,85) ; v1(25.5,85.7) 26.275,85.6 U3.4@26.5,85.6
  Signal Layer 2 w0.165: v1(5.325,55.55) 5.22,56.238 cw(c5.8,56.325) 5.283,56.603 10.483,66.278 cw(c11,66) 10.49,66.29 17.51,78.61 ccw(c17,78.9) 17.513,78.615 20.788,84.486 cw(c21.3,84.2) 20.9,84.629 21.261,84.966 cw(c21.374,84.845) 21.265,84.969 v1(21.3,85) v1(25.5,85.7)
VCTRL3: U6.4 U8.5 U9.6 | length 79
  Top Copper w0.165: v1(5.7,54.85) 6.6,54.835 U9.6@7.05,54.835 ; U6.4@43,91.2 43.225,91.2 v1(44,90.946) ; v1(48.9,91.5) 49.7,91.5 U8.5@49.925,91.5
  Signal Layer 2 w0.165: v1(5.7,54.85) 5.043,54.374 cw(c4.7,54.85) 4.151,55.056 4.776,56.711 cw(c5.8,56.325) 4.829,56.829 11.521,69.73 ccw(c11,70) 11.523,69.735 16.023,78.635 ccw(c15.5,78.9) 16.058,78.719 16.201,79.16 cw(c17,78.9) 16.221,79.214 16.846,80.765 cw(c17.625,80.45) 16.924,80.914 20.599,86.464 cw(c21.3,86) 20.851,86.71 30.501,92.83 cw(c30.862,92.26) 30.738,92.924 38.732,94.413 cw(c38.856,93.749) 38.74,94.414 43.124,95.178 ; 43.124,95.178 cw(c43.225,94.6) 43.449,95.142 49.124,92.796 cw(c48.9,92.254) 49.272,91.801 48.945,91.532 cw(c48.84,91.659) 48.934,91.523 v1(48.9,91.5) 48.858,91.495 cw(c48.84,91.659) 48.854,91.495 47.803,91.41 ccw(c47.85,90.825) 47.779,91.407 v1(44,90.946)
VCTRL4: U6.5 U8.4 U9.7 | length 73
  Top Copper w0.165: v1(4.7,54.85) 5.357,54.374 ccw(c5.7,54.85) 5.649,54.266 6.6,54.185 U9.7@7.05,54.185 ; U6.5@42.975,91.7 v1(44,91.7) ; v1(48.9,92.254) 49.675,92 U8.4@49.9,92
  Signal Layer 2 w0.165: v1(4.7,54.85) 4.739,55.583 cw(c5.325,55.55) 4.759,55.705 4.99,56.547 cw(c5.8,56.325) 5.055,56.713 11.746,69.613 ccw(c11,70) 11.75,69.621 16.25,78.521 ccw(c15.5,78.9) 16.299,78.64 16.442,79.08 cw(c17,78.9) 16.457,79.121 17.081,80.669 cw(c17.625,80.45) 17.136,80.774 20.811,86.324 cw(c21.3,86) 20.986,86.495 30.636,92.616 cw(c30.862,92.26) 30.786,92.674 38.777,94.163 cw(c38.856,93.749) 38.881,94.17 43.185,93.91 cw(c43.15,93.325) 43.404,93.854 45.329,92.929 cw(c45.075,92.4) 45.629,92.592 45.802,92.095 cw(c45.646,92.041) 45.81,92.057 45.824,91.906 ; v1(44,91.7) 45.135,91.817 ccw(c45.075,92.4) 45.141,91.817 45.665,91.877 ccw(c45.646,92.041) 45.674,91.879 45.824,91.906 ; v1(48.9,92.254) 47.821,92.026 cw(c47.7,92.6) 47.734,92.015 45.839,91.908 ccw(c45.848,91.743) 45.83,91.907 45.824,91.906
VREF: J7.1 R18.2 U13.7 | length 47.8
  Top Copper w0.2: U13.7@85.365,84.7 85.515,84 85.607,83.077 85.716,82.968 v1(91.45,82.8) ; R18.2@119.875,90.6 120.075,90.975 121.156,91.741 125.6,94.89 J7.1@127,95.74
  Signal Layer 2 w0.2: v1(91.45,82.8) 101.096,86.268 cw(c101.3,85.7) 101.213,86.298 109.772,87.549 ccw(c109.709,87.984) 109.791,87.553 117.639,89.057 ccw(c117.525,89.65) 117.9,89.176 v1(121.15,91.75)
pads on no net: D2.1 D2.7 D2.8 D2.9 D2.10 D2.16 J10.2 J10.3 J10.5 S1.2 S1.3 S2.2 S2.3 S5.2 S5.3 S6.2 S6.3 T2.2 T3.2 U9.11 U9.12 U19.7 U20.8 U20.11 U20.13 U20.14 U20.16 U20.20 U27.3 U27.6 U28.11 U28.12 U30.4 XO1.1

## Polygon pours and split planes (outlines as drawn)
GND on Signal Layer 2 "GND_L03_P008" (solid, remove dead copper, pour order 8): 0.1,0.1 0.1,99.6 199.5,99.6 199.5,45 199.9,45 199.9,0.1 198.3,0.1
-5V on Signal Layer 2 "-5V_L03_P007" (solid, remove dead copper, pour order 7): 29.5,44 32.5,45 66,75 79,73 95.5,82 147,82 161.5,76 165.482,47.882 169,48 167,83.5 127.5,98.5 114.5,94.5 59.5,82.5 29.5,50.5
+5V on Signal Layer 2 "+5V_L03_P006" (solid, remove dead copper, pour order 6): 27,41.5 27,73.5 49.5,85 50,93 50,99.5 199.5,99.5 199.5,45 180,45 194,86.5 162,91 151.5,85 148,89 140,87.5 128.686,97.14 115.5,90 108,88.5 83.314,86.326 59.5,82.5 31.5,50 29,42
+3V3 on Signal Layer 2 "+3V3_L03_P004" (solid, remove dead copper, pour order 4): 27,30 25.5,31.5 22.5,55.5 13,58.5 13.355,60.468 24.025,63.175 20.5,86 30.5,93.5 40,95 50,93 49.5,85 27,73.5 28.5,31
+3V3 on Signal Layer 2 "+3V3_L03_P003" (solid, remove dead copper, pour order 3): 32,19 74,21 77,14.5 140.5,11 171,19.5 173,69.5 196.272,84.178 196,86.5 164,92.5 151,85 152,83 166,81 167,49 149.5,60.5 146.5,46.5 164.5,44.5 152.5,26.5 133.5,20.5 80.5,21 77.4,25.5 38.35,25.35 32,33.8 26.5,31
+5V on Signal Layer 2 "+5V_L03_P005" (solid, remove dead copper, pour order 5): 28.5,32 61.5,48 65.85,48.325 130.5,55 130.5,61.5 49.5,52 26.5,43.5 27,33.5
GND on Signal Layer 1 "GND_L02_P000" (solid, remove dead copper, pour order 0): 0.1,0.1 0.1,99.9 199.9,99.9 199.9,0.1 198.5,0.1
GND on Bottom Copper "GND_L04_P001" (solid, remove dead copper, pour order 1): 0.1,0.1 0.1,99.9 199.9,99.9 199.9,0.1 197.3,0.1
GND on Top Copper "GND_L01_P002" (solid, remove dead copper, pour order 2): 0.1,0.1 0.1,99.9 199.9,99.9 199.9,0.1 199.2,0.1

## Other copper
Top Copper:
  region net GND: 84,28 84,59 82,59 82,28
  rectangle net GND: 42,57 84,59
  region net GND: 44,28 44,59 42,59 42,28
  rectangle net GND: 42,28 84,30
  rectangle net GND: 10,65 56,67
  rectangle net GND: 54,66 56,89
  rectangle net GND: 54,87 62,89
  rectangle net GND: 60,87 62,100
  rectangle net GND: 10,98 61,100
  rectangle net GND: 10,65 11.857,99

## Silkscreen, mask and mechanical layers (free items; w line width, h text height)
Top Overlay:
  lines w0.3: 40.5,10.5 71,10.5 ; 56,10.5 56,25.5 56.5,25.5 ; 115,7 115,29.5 ; 125,7 125,29.5 ; 135,7 135,29.5 ; 194.35,73.225 194.35,73 194,73 ; 194,73 199.75,73 199.75,57.5 194,57.5 194,73 ; 40.5,1.5 71,1.5 71,25.5 40.5,25.5 40.5,1.5 ; 41.5,27.5 41.5,59.5 84.5,59.5 84.5,27.5 41.5,27.5 ; 106,7 106,29.5 144,29.5 144,7 106,7
  text "IF 1 10.7MHz" at 66,94.5 h1.5
  text "STAGE 1" at 15.2,91.2 h1.5
  text "IF2 LIMITER" at 172.7,89.2 h1.5
  text "SYS PROG" at 188,84 h1.5
  text "IF2 100kHz" at 130.7,80.7 h1.5
  text "IF1 FILTER" at 119,80.5 h1.5
  text "SYS PROG" at 198.8,74.7 h1.5 r90
  text "RF IN" at 1.5,74.5 h2
  text "STAGE 2" at 40.7,73.7 h1.5
  text "GND" at 194.65,71.65 h1
  text "+3V3" at 194.65,70.15 h1
  text "+5V" at 194.65,68.65 h1
  text "446 MHz" at 1.5,67.5 h2
  text "PULSE" at 176.2,67.2 h1.5
  text "SDA" at 194.65,67.15 h1
  text "SCL" at 194.65,65.65 h1
  text "RX" at 194.65,64.15 h1
  text "TX" at 194.65,62.65 h1
  text "LO1" at 70.2,62.2 h1.5
  text "NRST" at 194.65,61.15 h1
  text "TL026CD OUT" at 82.5,60.5 h1.5
  text "SWCLK" at 194.65,59.65 h1
  text "SWDIO" at 194.65,58.15 h1
  text "5X MULTIPLIER" at 55.7,51.7 h1.5
  text "10kHz / 10.7MHz CRYSTAL FILTER" at 93.5,39 h1.5 r90
  text "+5V" at 1.95,37.45 h1.5
  text "GND" at 1.95,35.2 h1.5
  text "-5V" at 2.2,32.95 h1.5
  text "AUDIO OUT" at 185.2,26.7 h1.5
  text "+3V3" at 36.6,23.4 h1 r90
  text "STAGE1" at 43.3,22.3 h2
  text "STAGE2" at 58.3,22.3 h2
  text "+20dB" at 47.7,19.2 h1.5
  text "+20dB" at 62.7,19.2 h1.5
  text "STAGE 1" at 110.8,18.2 h1.5 r90
  text "STAGE 2" at 120.8,18.2 h1.5 r90
  text "CHANNEL DOWN" at 132,18 h1.5 r90
  text "CHANNEL UP" at 142,18 h1.5 r90
  text "PULSE COUNTING FM DEMODULATOR" at 145.5,17.5 h3
  text "0dB" at 49.2,15.7 h1.5
  text "0dB" at 64.2,15.7 h1.5
  text "-10dB" at 47.7,12.2 h1.5
  text "-10dB" at 62.7,12.2 h1.5
  text "Channel" at 41.8,7.3 h2
  text "8" at 44.8,3.8 h2
  text "4" at 51.8,3.8 h2
  text "2" at 59.3,3.8 h2
  text "1" at 66.8,3.8 h2
  text "VER. 1.0  2022.11.23" at 161.8,1.8 h1.5
Top Mask:
  rectangle: 32,78 38,80
  rectangle: 37,78 38,92
  rectangle: 32,90 38,92
  rectangle: 32,78 33,91
  rectangle: 42,28 84,30
  rectangle: 42,28 44,58
  rectangle: 42,57 84,59
  rectangle: 82,28 84,59
  rectangle: 10,65 12,100
  rectangle: 10,98 62,100
  rectangle: 60,87 62,100
  rectangle: 55,87 62,89
  rectangle: 54,66 56,89
  rectangle: 10,65 56,67
Mechanical 1:
  the board outline again, w0.2

## Text inside footprints (layer, text, board x,y; h text height)
C39: Top Overlay "+" at 87.3,93.2 h1
C40: Top Overlay "+" at 79.8,71.5 h1 r270
C67: Top Overlay "+" at 177.8,12.4 h1 r180
C103: Top Overlay "+" at 34,21.6 h1 r90
C115: Top Overlay "+" at 26.8,34.4 h1 r180
C116: Top Overlay "+" at 27.6,9.8 h1 r270